# Altium PCB pay-ssm-v4-5.PcbDoc (part 2 of 4)
Units mm, origin at the board's own origin, x right, y up, seen from the top; angles counter-clockwise.
Board outline 127 x 55 mm, 6 copper layers (Top Layer, GND1, VCC, 3V3, GND2, Bottom Layer), stack 0.816 mm thick; 302 components, 219 nets, 1045 pads, 709 vias.
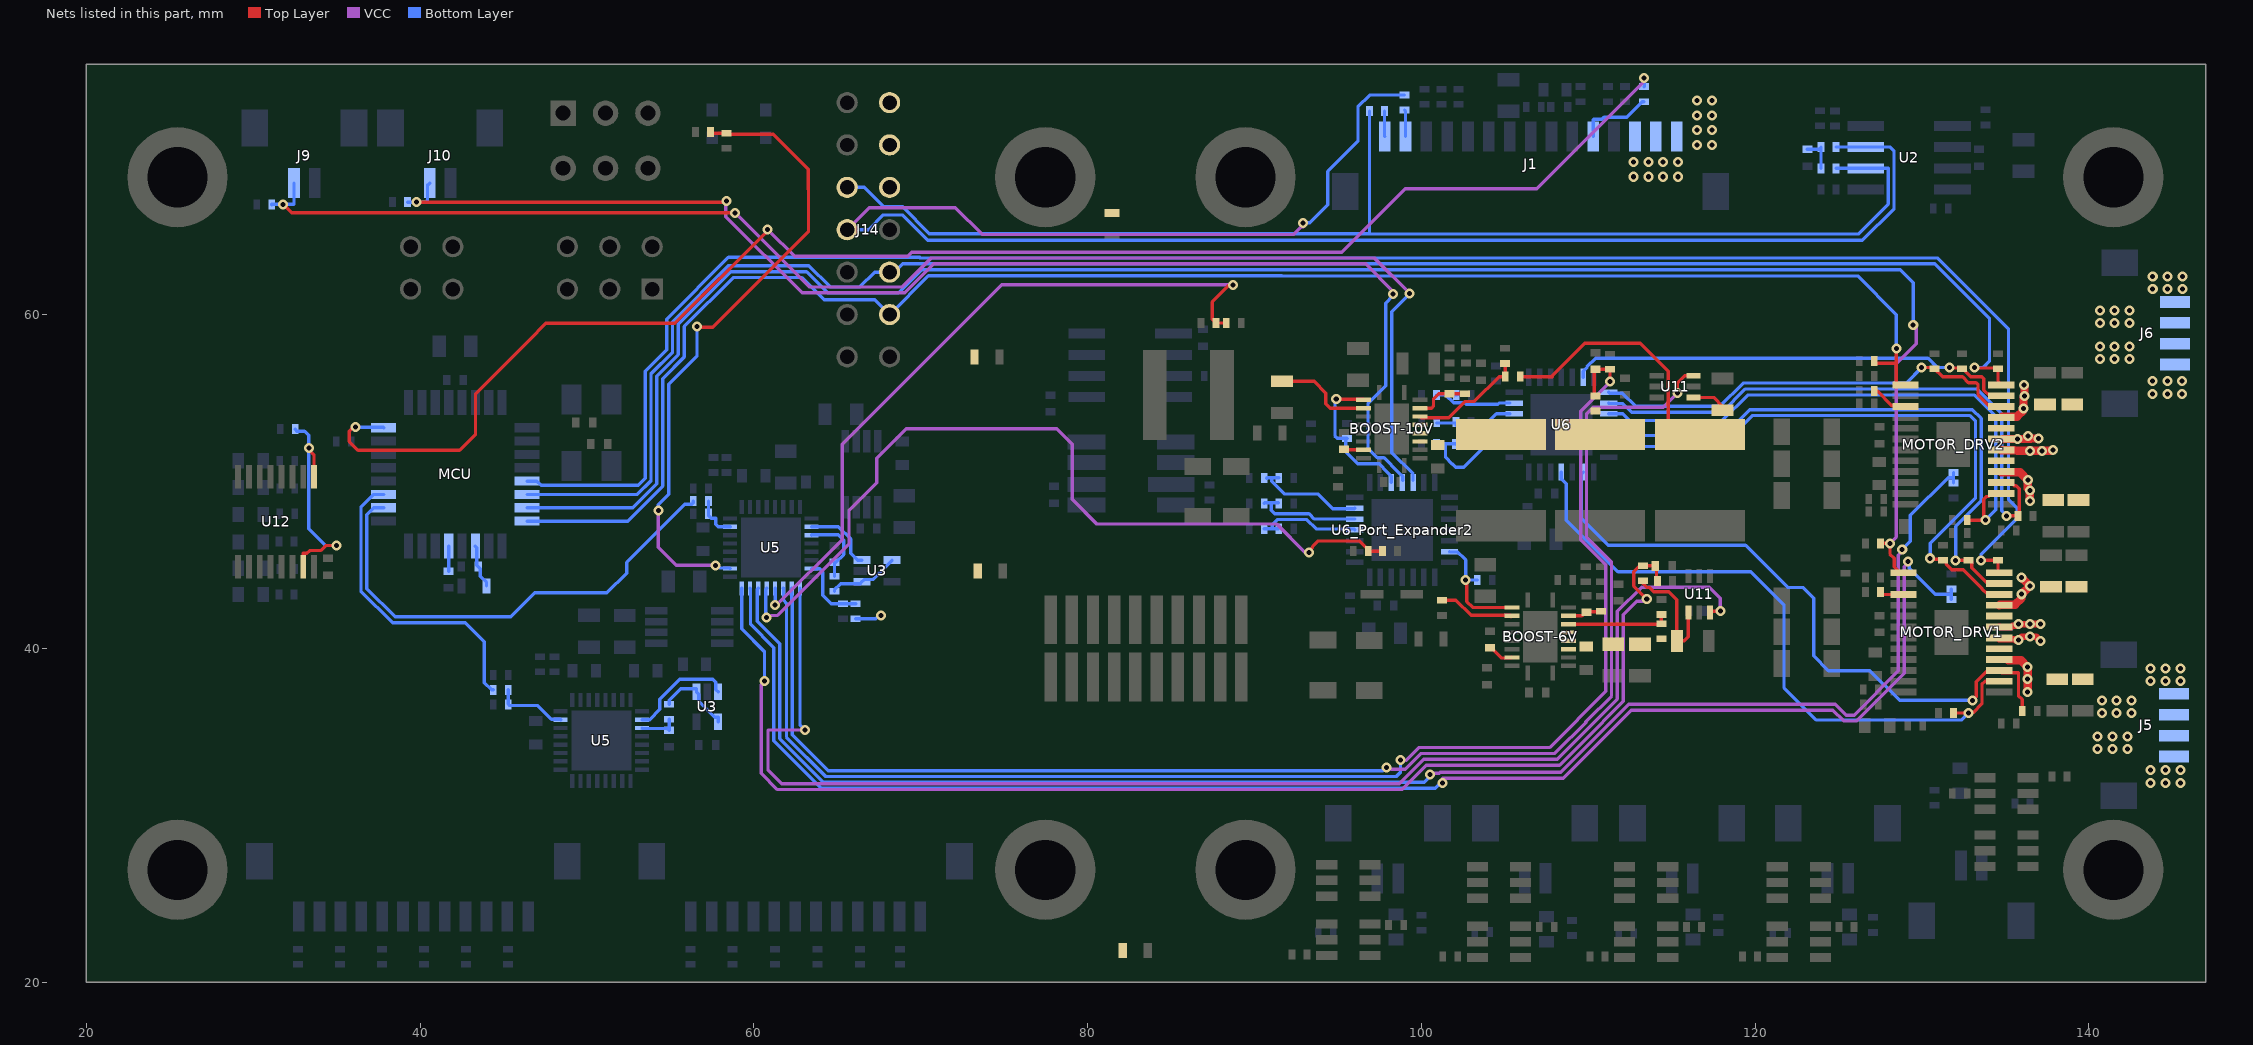
[diagram p6: the nets of this part, all layers, seen from the top]

## Part data
BOOST-6V BOOST-10V: "Boost converter", Supplier Part Number 1=296-42129-1-ND, Supplier 1=Digi-Key
C1 C7 C12 C12_ADC1 C14 C14 C18 C18 C41_Port_Expander1 C41_Port_Expander2 C55: library part CAP0805, "0805 capacitor", Capacitance=10uF, Dielectric=X7R, Manufacturer=Murata, Manufacturer Part Number=GCM21BR70J106KE22K, Max Operating Temperature=125°C, Min Operating Temperature=-55°C, Supplier Part Number 1=490-14361-1-ND, Tolerance=10%, Voltage Rating (DC)=6.3V, Case/Package=0805, Depth=1.25mm, Lead Free="Lead Free", Length=2mm, Packaging="Tape and Reel", Pricing 1="1=0.42, 10=0.29, 100=0.1742, 500=0.13064, 1000=0.11031, 2500=0.10451, 5000=0.0987 (USD)", Stock 1=214938, Supplier 1=Digi-Key
C2 C3 C4 C8 C10 C10 C41 C41 C45 C45 C46: library part CAP0402, "0402 capacitor", Capacitance=100nF, Case Code (Metric)=1005, Dielectric=X7R, Manufacturer="Taiyo Yuden", Manufacturer Part Number=EMK105B7104KVHF, Max Operating Temperature=125°C, Min Operating Temperature=-55°C, Package Quantity=10000, Ratings=AEC-Q200, Supplier Part Number 1=587-3807-1-ND, Tolerance=10%, Voltage Rating=16V, Case/Package=0402, Case Code (Imperial)=0402, Halogen Free="Halogen Free", Height=0.5mm, Lead Free="Lead Free", Length=0.039inch, Mount="Surface Mount", Packaging="Tape and Reel", Pricing 1="1=0.1, 10=0.057, 100=0.0254, 500=0.01812, 1000=0.01423, 2500=0.01294, 5000=0.0119 (USD)", Supplier 1=Digi-Key, Termination=SMD/SMT, Thickness=0.022inch, Voltage Rating (DC)=16V, Weight=2.3E-05oz, Width=0.02inch
  C2 C3 C4 C8 C10 C10 C41 C41 C46: Stock 1=18196
  C45 C45: Stock 1=17496
C5 C6: library part CAP0402, "0402 capacitor", Capacitance=22pF, Case Code (Metric)=1005, Manufacturer=KEMET, Manufacturer Part Number=C0402C220K4RAC7867, Max Operating Temperature=125°C, Min Operating Temperature=-55°C, Supplier Part Number 1=399-17554-1-ND, Tolerance=10%, Voltage Rating=16V, Case/Package=0402, Case Code (Imperial)=0402, Mount="Surface Mount", Packaging="Tape and Reel", Pricing 1="1=0.19, 10=0.132, 100=0.062, 500=0.0435, 1000=0.03601, 2500=0.03351, 5000=0.03066 (USD)", Stock 1=68765, Supplier 1=Digi-Key
C9: library part CAP0402, "0402 capacitor", Capacitance=47pF, Dielectric=X7R, Manufacturer=KEMET, Manufacturer Part Number=C0402C470J3RACAUTO, Max Operating Temperature=125°C, Min Operating Temperature=-55°C, Supplier Part Number 1=399-17558-1-ND, Tolerance=5%, Case/Package=0402, Depth=0.5mm, Length=1mm, Packaging="Tape and Reel", Pricing 1="1=0.15, 10=0.104, 100=0.0489, 500=0.0343, 1000=0.0284, 2500=0.02643, 5000=0.02418 (USD)", Stock 1=18140, Supplier 1=Digi-Key
C11 C11: library part CAP0402, "0402 capacitor", Capacitance=220pF, Case Code (Metric)=1005, Dielectric=X7R, Manufacturer=Murata, Manufacturer Part Number=GCM155R71H221KA37D, Max Operating Temperature=125°C, Min Operating Temperature=-55°C, Package Quantity=1, Ratings=AEC-Q200, Supplier Part Number 1=490-4912-1-ND, Tolerance=10%, Voltage=50V, Case/Package=0402, Case Code (Imperial)=0402, ComponentLink1Description=http://psearch.murata.com/capacitor/product/GCM155R71H221KA37%23.pdf?src-supplier=Avnet+Europe, ComponentLink1URL=http://psearch.murata.com/capacitor/product/GCM155R71H221KA37%23.pdf?src-supplier=Avnet+Europe, ComponentLink2Description=http://search.murata.co.jp/Ceramy/image/img/A01X/partnumbering_e_02.pdf?src-supplier=Digi-Key, ComponentLink2URL=http://search.murata.co.jp/Ceramy/image/img/A01X/partnumbering_e_02.pdf?src-supplier=Digi-Key, ComponentLink3Description=https://www.murata.com/~/media/webrenewal/support/library/catalog/products/capacitor/mlcc/c03e.ashx?src-supplier=Avnet, ComponentLink3URL=https://www.murata.com/~/media/webrenewal/support/library/catalog/products/capacitor/mlcc/c03e.ashx?src-supplier=Avnet, Depth=0.5mm, Height=0.5mm, Length=1mm, Mount="Surface Mount", Packaging="Tape and Reel", Pricing 1="1=0.1, 10=0.059, 100=0.0264, 500=0.01884, 1000=0.0148, 2500=0.01346, 5000=0.01238 (USD)", Radiation Hardening=No, Stock 1=141569, Supplier 1=Digi-Key, Termination=SMD/SMT, Thickness=0.022inch, Voltage Rating=50V, Voltage Rating (DC)=50V, Width=0.02inch
C13 C13 C15 C15 C16 C16 C17 C17 C57 C58: library part CAP0603, "0603 capacitor", Capacitance=1uF, Case Code (Metric)=1608, Manufacturer=KEMET, Manufacturer Part Number=C0603C105K4RACAUTO, Max Operating Temperature=125°C, Min Operating Temperature=-55°C, Ratings=AEC-Q200, Supplier Part Number 1=399-17704-1-ND, Tolerance=10%, Voltage Rating=16V, Case/Package=0603, Case Code (Imperial)=0603, Mount="Surface Mount", Packaging="Cut Tape", Pricing 1="1=0.17, 10=0.12, 100=0.0564, 500=0.03952, 1000=0.03273 (USD)", Stock 1=376276, Supplier 1=Digi-Key
  C57 C58: Supplier 2=Digi-Key, Supplier Part Number 2=587-3467-1-ND
C19: library part CAP0402, "0402 capacitor", Supplier Part Number 1=445-5666-1-ND, Supplier 1=Digi-Key
C20 C30 C31 C32 C42 C43 C44 C52: library part CAP0402, "0402 capacitor"
C21 C24 C28: library part CAP2220, "Ceramic Capacitor 2220 (5750 Metric)", Supplier Part Number 1=445-7934-1-ND, Supplier 1=Digi-Key
C22 C23: library part CAP1206, "1206 capacitor", Supplier Part Number 1=445-5998-1-ND, Supplier 1=Digi-Key
C25 C47: library part CAP0805, "0805 capacitor", Supplier Part Number 1=490-3906-1-ND, Supplier 1=Digi-Key
C26: library part CAP0402, "0402 capacitor", Supplier Part Number 1=490-3250-1-ND, Supplier 1=Digi-Key
C27 C49: library part CAP0402, "0402 capacitor", Supplier Part Number 1=490-6338-1-ND, Supplier 1=Digi-Key
C29: library part CAP0402, "0402 capacitor", Supplier Part Number 1=490-6178-1-ND, Supplier 1=Digi-Key
C33 C34: library part CAP1206, "1206 capacitor", Supplier Part Number 1=445-8046-1-ND, Supplier 1=Digi-Key
C35 C50: library part CAP0805, "0805 capacitor", Supplier Part Number 1=810-C2012X5R1V156M1C, Supplier 1=Mouser
C36 C36: library part CAP0402, "0402 capacitor", Supplier Part Number 1=445-6900-1-ND, Supplier 1=Digi-Key
C37 C37 C38 C38 C39 C39: library part CAP1206, "1206 capacitor", Supplier Part Number 1=445-174428-1-ND, Supplier 1=Digi-Key
C40 C40: library part CAP0603, "0603 capacitor", Supplier Part Number 1=445-6933-1-ND, Supplier 1=Digi-Key
C48: library part CAP0402, "0402 capacitor", Supplier Part Number 1=490-1301-1-ND, Supplier 1=Digi-Key
C51: library part CAP0402, "0402 capacitor", Supplier Part Number 1=490-5869-1-ND, Supplier 1=Digi-Key
C53 C54: library part Cap, "Capacitor", LatestRevisionDate=17-Jul-2002, LatestRevisionNote="Re-released for DXP Platform.", PackageDescription="Radial Cap, Thru-Hole; 2 Leads; 0.3 in Pin Spacing", PackageReference=RAD-0.3, Published=8-Jun-2000, Publisher="Altium Limited"
D1 D1 D2 D3 D4 D5 D6 D7 D8_HEATER1 D8_HEATER2 D8_HEATER3 D8_HEATER4 D8_HEATER5: "Generic 0603 LED. Use ChipLED from Osram for generic ones."
J1: "15 pos DF13 right angle surface mount connector", Supplier Part Number 1=H125988CT-ND, Supplier 1=Digi-Key
J2: "20 pos 50mil pitch low profile SMD connector", Supplier Part Number 1=SAM10120-ND, Supplier 1=Digi-Key
J3: "6 pos 100mil pitch low profile header", Supplier Part Number 1=SAM1088-03-ND, Supplier 1=Digi-Key
J4: "4 pos 100mil pitch low profile header", Supplier Part Number 1=SAM1088-02-ND, Supplier 1=Digi-Key
J5 J6: "4 pos DF13 right angle surface mount connector", Supplier Part Number 1=H125779CT-ND, Supplier 1=Digi-Key
J9 J10 J11 J11 J11 J11 J11: "2 pos DF13 right angle surface mount connector", Supplier Part Number 1=H125743CT-ND, Supplier 1=Digi-Key
J12 J13: "12 pos DF13 right angle surface mount connector", Contact Resistance=30mR, Current Rating=1A, Housing Color=Beige, Manufacturer=Hirose, Max Operating Temperature=85°C, Max Voltage Rating (AC)=150V, Min Operating Temperature=-35°C, Package Quantity=1000, Supplier Part Number 1=H125987CT-ND, ComponentLink1Description=http://www.mouser.com/ds/2/185/DF13_catalog-939190.pdf?src-supplier=Mouser, ComponentLink1URL=http://www.mouser.com/ds/2/185/DF13_catalog-939190.pdf?src-supplier=Mouser, ComponentLink2Description=http://www.hirose.co.jp/cataloge_hp/en_DF13_20130411.pdf?src-supplier=Future+Electronics, ComponentLink2URL=http://www.hirose.co.jp/cataloge_hp/en_DF13_20130411.pdf?src-supplier=Future+Electronics, ComponentLink3Description=https://www.verical.com/server-webapp/html/getDatasheet?partID=429813&src-supplier=Verical, ComponentLink3URL=https://www.verical.com/server-webapp/html/getDatasheet?partID=429813&src-supplier=Verical, Contact Gender=Male, Contact Material="Brass,Copper Alloy", Contact Plating=Gold, Depth=6.5mm, Housing Material=Polyamide, Lead Free="Lead Free", Length=19.65mm, Manufacturer Part Number=DF13A-12P-1.25H(51), Max Current Rating=1A, Number of Contacts=12, Number of Positions=12, Number of Rows=1, Orientation="Right Angle", Packaging="Tape and Reel", Pitch=1.25mm, Pricing 1="1=1.69, 10=1.536, 100=1.3167, 500=1.09726 (USD)", Radiation Hardening=No, Stock 1=878, Supplier 1=Digi-Key, Termination=Solder, Voltage Rating=150V
J14: "14 pos 100 mil pitch low profile header", Supplier Part Number 1=SAM1088-07-ND, Supplier 1=Digi-Key
L1: library part Inductor, "Inductor", Case Code (Metric)=1608, Current Rating=300mA, DC Resistance (DCR)=780mR, Inductance=10uH, Manufacturer=TDK, Manufacturer Part Number=MLZ1608N100LTD25, Max Operating Temperature=125°C, Min Operating Temperature=-55°C, Package Quantity=4000, Ratings=AEC-Q200, Saturation Current=60mA, Supplier Part Number 1=445-17067-1-ND, Test Frequency=2MHz, Tolerance=20%, Case/Package=0603, Case Code (Imperial)=0603, Code_IEC=1005, Code_JEITA=0402, Core Material=Ferrite, Height=0.8mm, Height - Seated (Max)=0.037inch, LatestRevisionDate=29-May-2009, LatestRevisionNote="IPC-7351 Footprint Added.", Lead Free="Lead Free", Length=0.063inch, Max DC Current=300mA, Mount="Surface Mount", PackageDescription="Chip Inductor", PackageReference=0402-A, Packaging="Tape and Reel", Pricing 1="1=0.22, 10=0.202, 100=0.1346, 500=0.11212, 1000=0.09419 (USD)", Published=8-Jun-2000, Publisher="Altium Limited", Shielding=Shielded, Stock 1=11876, Supplier 1=Digi-Key, Termination=SMD/SMT, Weight=0.000141oz, Width=0.8mm
L2: "Fixed Inductors 1.1uH 20% 12A, 13.1mOhms AEC-Q200", Supplier Part Number 1=994-XAL6020-112MEB, ComponentLink1Description=Datasheet, ComponentLink1URL=https://www.mouser.ca/datasheet/2/597/xal6020-774588.pdf, Supplier 1=Mouser
L3: library part IND_IHLP-1212BZ, "1µH Shielded Molded Inductor 5A 24mOhm Max Nonstandard", Case/Package=1212, Case Code (Metric)=3630, Current Rating=5A, DC Resistance (DCR)=24mR, Inductance=1uH, Inductance Tolerance=20%, Manufacturer="Vishay Dale", Manufacturer Part Number=IHLP1212BZER1R0M11, Max Operating Temperature=125°C, Min Operating Temperature=-55°C, Package Quantity=3000, Saturation Current=4.5A, Self Resonant Frequency=75MHz, Supplier Part Number 1=541-1319-1-ND, Test Frequency=100kHz, Case Code (Imperial)=1212, ComponentLink1Description=http://www.mouser.com/ds/2/427/lp12bz11-244380.pdf?src-supplier=Mouser, ComponentLink1URL=http://www.mouser.com/ds/2/427/lp12bz11-244380.pdf?src-supplier=Mouser, ComponentLink2Description=http://www.vishay.com/docs/34289/lp12bz11.pdf?src-supplier=Digi-Key, ComponentLink2URL=http://www.vishay.com/docs/34289/lp12bz11.pdf?src-supplier=Digi-Key, ComponentLink3Description=http://www.vishay.com/docs/34289/lp12bz11.pdf?src-supplier=Avnet, ComponentLink3URL=http://www.vishay.com/docs/34289/lp12bz11.pdf?src-supplier=Avnet, ComponentLink4Description=http://www.farnell.com/datasheets/652599.pdf?src-supplier=Element14, ComponentLink4URL=http://www.farnell.com/datasheets/652599.pdf?src-supplier=Element14, ComponentLink5Description=http://www.vishay.com/docs/34289/lp12bz11.pdf?src-supplier=Avnet+Europe, ComponentLink5URL=http://www.vishay.com/docs/34289/lp12bz11.pdf?src-supplier=Avnet+Europe, ComponentLink6Description=https://www.verical.com/server-webapp/html/getDatasheet?partID=180380&src-supplier=Verical, ComponentLink6URL=https://www.verical.com/server-webapp/html/getDatasheet?partID=180380&src-supplier=Verical, Contact Plating=Tin, Core Material=Metal,Composite, Depth=3.2mm, Height=2mm, Height - Seated (Max)=0.079inch, Lead Free="Lead Free", Length=3.6mm, Max DC Current=5A, Military Standard=Not, Mount="Surface Mount", Number of Pins=2, Packaging="Tape and Reel", Pricing 1="1=1.45, 10=1.346, 100=0.9729, 500=0.7452, 1000=0.6624 (USD)", Radiation Hardening=No, REACH SVHC=Unknown, RMS Current (Irms)=5A, Shielding=Shielded, Stock 1=196362, Supplier 1=Digi-Key, Termination=SMD/SMT, Tolerance=20%, Width=0.118inch
L4: library part Inductor, "Inductor", Case/Package=0402, Case Code (Metric)=1005, DC Resistance (DCR)=55mR, Manufacturer=Murata, Manufacturer Part Number=BLM15PX121SZ1D, Max Current Rating=2A, Max Operating Temperature=125°C, Min Operating Temperature=-55°C, Ratings=AEC-Q200, Supplier Part Number 1=490-16505-1-ND, Case Code (Imperial)=0402, Code_IEC=1005, Code_JEITA=0402, LatestRevisionDate=29-May-2009, LatestRevisionNote="IPC-7351 Footprint Added.", Mount="Surface Mount", Number of Lines=1, PackageDescription="Chip Inductor", PackageReference=0402-A, Packaging="Cut Tape", Pricing 1="1=0.15, 10=0.125, 25=0.0972, 50=0.0804, 100=0.0693, 250=0.05544, 500=0.0499, 1000=0.04158, 5000=0.03881 (USD)", Published=8-Jun-2000, Publisher="Altium Limited", Stock 1=18936, Supplier 1=Digi-Key
MCU: library part ATMEGA64M1_QFP, "Atmel 8-bit AVR microcontroller.", Supplier Part Number 1=ATMEGA64M1-AU-ND, Supplier 1=Digi-Key
MOTOR_DRV1 MOTOR_DRV2: "Dual-bridge stepper or dc motor driver. 1.5A per coil with 2.5-10.8 V load supply.", Supplier Part Number 1=296-41246-1-ND, ComponentLink1Description=Datasheet, ComponentLink1URL=http://www.ti.com/lit/ds/symlink/drv8834.pdf, Supplier 1=Digi-Key
"PROG <-> RUN": library part "DPDT Switch", "DPDT Switch, customized for the pinout of the JS202011AQN switch.", Supplier Part Number 1=401-2000-ND, Supplier 1=Digi-Key
Q1_HEATER1 Q1_HEATER2 Q1_HEATER3 Q1_HEATER4 Q1_HEATER5 Q2_HEATER1 Q2_HEATER2 Q2_HEATER3 Q2_HEATER4 Q2_HEATER5: library part FDC637BNZCT-ND, "20V 6.2A, N-MOS, low gate on voltage", Supplier 1=Digi-Key, Supplier Part Number 1=FDC637BNZCT-ND
R1 R2 R17 R18 R27 R31 R40 R69 R69 R70 R70 R71 R71 R72 R72 R73 R73 R74 R74 R90: library part RES0402, "0402 resistor", Case Code (Metric)=1005, Manufacturer=Panasonic, Manufacturer Part Number=ERJ-2GE0R00X, Max Operating Temperature=155°C, Max Power Dissipation=100mW, Min Operating Temperature=-55°C, Package Quantity=1, Resistance=0mR, Supplier Part Number 1=P0.0JCT-ND, Temperature Coefficient=600ppm/°C, Tolerance=5%, Voltage Rating=50V, Case/Package=0402, Case Code (Imperial)=0402, ComponentLink1Description=http://industrial.panasonic.com/www-data/pdf/AOA0000/AOA0000CE1.pdf?src-supplier=Avnet, ComponentLink1URL=http://industrial.panasonic.com/www-data/pdf/AOA0000/AOA0000CE1.pdf?src-supplier=Avnet, ComponentLink2Description=http://www.alliedelec.com/m/d/51cd0790071e1666bdb9d00c57fcf960.pdf?src-supplier=Allied+Electronics, ComponentLink2URL=http://www.alliedelec.com/m/d/51cd0790071e1666bdb9d00c57fcf960.pdf?src-supplier=Allied+Electronics, ComponentLink3Description=http://industrial.panasonic.com/www-data/pdf/AOA0000/AOA0000CE1.pdf?src-supplier=Avnet+Europe, ComponentLink3URL=http://industrial.panasonic.com/www-data/pdf/AOA0000/AOA0000CE1.pdf?src-supplier=Avnet+Europe, ComponentLink4Description=http://www.farnell.com/datasheets/2059623.pdf?src-supplier=Farnell, ComponentLink4URL=http://www.farnell.com/datasheets/2059623.pdf?src-supplier=Farnell, ComponentLink5Description=http://www.farnell.com/datasheets/2059623.pdf?src-supplier=Element14, ComponentLink5URL=http://www.farnell.com/datasheets/2059623.pdf?src-supplier=Element14, ComponentLink6Description=http://www.farnell.com/datasheets/1678796.pdf?src-supplier=Element14, ComponentLink6URL=http://www.farnell.com/datasheets/1678796.pdf?src-supplier=Element14, Composition="Thick Film", Contact Plating=Tin, Depth=0.5mm, Features="Automotive AEC-Q200", Height=0.35mm, Lead Free="Lead Free", Length=1mm, Military Standard=Not, Mount="Surface Mount", Number of Terminations=2, Packaging="Tape and Reel", Power Rating=100mW, Pricing 1="1=0.1, 10=0.03, 25=0.0216, 50=0.0164, 100=0.0121, 250=0.00924, 500=0.0074, 1000=0.00545, 5000=0.00391 (USD)", Radiation Hardening=No, REACH SVHC="No SVHC", Stock 1=47740000, Supplier 1=Digi-Key, Termination=SMD/SMT, Voltage Rating (DC)=50V, Width=0.02inch
R3 R7 R25 R37 R38 R86: library part RES0603, "0603 resistor", Supplier Part Number 1=2019-TLRZ1JTTDCT-ND, Supplier 1=Digi-Key
R4 R5 R6 R8 R9 R10 R33 R36 R41 R42 R43 R48 R48 R49 R49 R50 R50 R51 R51 R52 R52 R53 R53 R58 R58 R59 R59 R60 R60 R61 R61 R62 R62 R63 R63 R64 R64 R65_HEATER1 R65_HEATER2 R65_HEATER3 R65_HEATER4 R65_HEATER5 R66 R76 R91 R92 R96_HEATER1 R96_HEATER2 R96_HEATER3 R96_HEATER4 R96_HEATER5 R97 R98 R100: library part RES0402, "0402 resistor"
R11: library part RES0402, "0402 resistor", Case Code (Metric)=1005, Manufacturer=Yageo, Manufacturer Part Number=AC0402FR-0730KL, Max Operating Temperature=155°C, Max Power Dissipation=63mW, Min Operating Temperature=-55°C, Power Rating=62.5mW, Resistance=30kR, Supplier Part Number 1=YAG3474CT-ND, Temperature Coefficient=100ppm/°C, Tolerance=1%, Voltage Rating=50V, Case/Package=0402, Case Code (Imperial)=0402, Composition="Thick Film", Features="Moisture Resistant,Automotive AEC-Q200", Height=0.015inch, Lead Free="Lead Free", Length=0.039inch, Number of Terminations=2, Packaging="Tape and Reel", Pricing 1="1=0.1, 10=0.022, 100=0.009, 1000=0.00403, 2500=0.0035, 5000=0.00289 (USD)", Stock 1=756314, Supplier 1=Digi-Key, Termination=SMD/SMT, Weight=2.3E-05oz, Width=0.5mm
R12 R16: library part RES0402, "0402 resistor", Case Code (Metric)=1005, Manufacturer=Vishay, Manufacturer Part Number=CRCW040260R4FKED, Max Operating Temperature=155°C, Max Power Dissipation=63mW, Min Operating Temperature=-55°C, Package Quantity=10, Resistance=60.4R, Supplier Part Number 1=541-60.4LCT-ND, Temperature Coefficient=100ppm/°C, Tolerance=1%, Voltage Rating=50V, Case/Package=0402, Case Code (Imperial)=0402, ComponentLink1Description=https://www.alliedelec.com/m/d/0c934d6939ccefa68dbe0b96d821c8cf.pdf?src-supplier=Allied+Electronics, ComponentLink1URL=https://www.alliedelec.com/m/d/0c934d6939ccefa68dbe0b96d821c8cf.pdf?src-supplier=Allied+Electronics, ComponentLink2Description=http://www.farnell.com/datasheets/1697337.pdf?src-supplier=Element14, ComponentLink2URL=http://www.farnell.com/datasheets/1697337.pdf?src-supplier=Element14, ComponentLink3Description=http://www.vishay.com/docs/20035/dcrcwe3.pdf?src-supplier=Digi-Key, ComponentLink3URL=http://www.vishay.com/docs/20035/dcrcwe3.pdf?src-supplier=Digi-Key, ComponentLink4Description=http://www.farnell.com/datasheets/2111203.pdf?src-supplier=Element14, ComponentLink4URL=http://www.farnell.com/datasheets/2111203.pdf?src-supplier=Element14, ComponentLink5Description=http://www.vishay.com/docs/20035/dcrcwe3.pdf?src-supplier=Future+Electronics, ComponentLink5URL=http://www.vishay.com/docs/20035/dcrcwe3.pdf?src-supplier=Future+Electronics, Composition="Thick Film", Contact Plating=Tin, Depth=0.5mm, Features="Automotive AEC-Q200", Height=0.35mm, Lead Free="Lead Free", Length=1mm, Military Standard=Not, Number of Terminations=2, Packaging="Tape and Reel", Power Rating=63mW, Pricing 1="1=0.1, 10=0.038, 100=0.0154, 1000=0.0069, 2500=0.00599, 5000=0.00495 (USD)", Radiation Hardening=No, REACH SVHC=Unknown, Stock 1=132015, Supplier 1=Digi-Key, Termination=Solder, Voltage Rating (DC)=50V, Weight=2.3E-05oz, Width=0.5mm
R13 R14 R15 R19 R19 R20 R20 R21 R21 R22 R22 R23 R23: library part RES0402, "0402 resistor", Case Code (Metric)=1005, Manufacturer="Vishay Dale", Manufacturer Part Number=CRCW0402100RFKEDHP, Max Operating Temperature=155°C, Min Operating Temperature=-55°C, Package Quantity=10000, Power Rating=125mW, Resistance=100R, Supplier Part Number 1=541-100YCT-ND, Temperature Coefficient=100ppm/°C, Tolerance=1%, Voltage Rating=50V, Case/Package=0402, Case Code (Imperial)=0402, ComponentLink1Description=http://www.vishay.com/docs/20043/crcwhpe3.pdf?src-supplier=Avnet, ComponentLink1URL=http://www.vishay.com/docs/20043/crcwhpe3.pdf?src-supplier=Avnet, Composition="Thick Film", Contact Plating=Tin, Depth=0.5mm, Height=0.3mm, Lead Free="Lead Free", Length=1mm, Mount="Surface Mount", Packaging="Tape and Reel", Pricing 1="1=0.15, 10=0.138, 100=0.0532, 1000=0.02343, 2500=0.02023, 5000=0.0181 (USD)", Radiation Hardening=No, REACH SVHC=Unknown, Stock 1=530594, Supplier 1=Digi-Key, Termination=SMD/SMT, Voltage Rating (DC)=50V, Weight=2.3E-05oz, Width=0.5mm
R24 R24 R44_HEATER1 R44_HEATER2 R44_HEATER3 R44_HEATER4 R44_HEATER5 R46 R47 R66_HEATER2 R66_HEATER3 R66_HEATER4 R66_HEATER5 R67 R67 R68 R68 R75 R77 R79: library part RES0402, "0402 resistor", Case Code (Metric)=1005, Manufacturer=Panasonic, Manufacturer Part Number=ERJ-2RKF1002X, Max Operating Temperature=155°C, Max Power Dissipation=100mW, Min Operating Temperature=-55°C, Package Quantity=1, Resistance=10kR, Supplier Part Number 1=P10.0KLCT-ND, Temperature Coefficient=100ppm/°C, Tolerance=1%, Voltage Rating=50V, Case/Package=0402, Case Code (Imperial)=0402, ComponentLink1Description=http://industrial.panasonic.com/www-data/pdf/AOA0000/AOA0000CE2.pdf?src-supplier=Future+Electronics, ComponentLink1URL=http://industrial.panasonic.com/www-data/pdf/AOA0000/AOA0000CE2.pdf?src-supplier=Future+Electronics, ComponentLink2Description=http://industrial.panasonic.com/www-data/pdf/AOA0000/AOA0000CE2.pdf?src-supplier=Avnet+Europe, ComponentLink2URL=http://industrial.panasonic.com/www-data/pdf/AOA0000/AOA0000CE2.pdf?src-supplier=Avnet+Europe, ComponentLink3Description=https://industrial.panasonic.com/cdbs/www-data/pdf/RDA0000/DMA0000COL11.pdf?src-supplier=Mouser, ComponentLink3URL=https://industrial.panasonic.com/cdbs/www-data/pdf/RDA0000/DMA0000COL11.pdf?src-supplier=Mouser, ComponentLink4Description=http://www.farnell.com/datasheets/1678782.pdf?src-supplier=Element14, ComponentLink4URL=http://www.farnell.com/datasheets/1678782.pdf?src-supplier=Element14, ComponentLink5Description=http://www.farnell.com/datasheets/1911175.pdf?src-supplier=Farnell, ComponentLink5URL=http://www.farnell.com/datasheets/1911175.pdf?src-supplier=Farnell, ComponentLink6Description=http://www.jameco.com/Jameco/Products/ProdDS/1987020.pdf?src-supplier=Jameco, ComponentLink6URL=http://www.jameco.com/Jameco/Products/ProdDS/1987020.pdf?src-supplier=Jameco, ComponentLink7Description=http://industrial.panasonic.com/www-data/pdf/AOA0000/AOA0000CE2.pdf?src-supplier=Avnet, ComponentLink7URL=http://industrial.panasonic.com/www-data/pdf/AOA0000/AOA0000CE2.pdf?src-supplier=Avnet, ComponentLink8Description=http://www.alliedelec.com/m/d/623f45ff1957d936ff56d46fd1c28cac.pdf?src-supplier=Allied+Electronics, ComponentLink8URL=http://www.alliedelec.com/m/d/623f45ff1957d936ff56d46fd1c28cac.pdf?src-supplier=Allied+Electronics, Composition="Thick Film", Contact Plating=Tin, Depth=0.5mm, Features="Automotive AEC-Q200", Height=0.35mm, Lead Free="Lead Free", Length=1mm, Military Standard=Not, Mount="Surface Mount", Number of Pins=2, Number of Terminations=2, Packaging="Tape and Reel", Power Rating=100mW, Pricing 1="1=0.1, 10=0.045, 100=0.0183, 1000=0.00823, 2500=0.00715, 5000=0.0059 (USD)", Radiation Hardening=No, REACH SVHC="No SVHC", Stock 1=14350001, Supplier 1=Digi-Key, Termination=SMD/SMT, Voltage Rating (DC)=50V, Width=0.02inch
R26: library part RES0805, "0805 resistor", Supplier Part Number 1=P215KCCT-ND, Supplier 1=Digi-Key
R28 R87: library part RES0805, "0805 resistor", Supplier Part Number 1=RHM.008AJCT-ND, Supplier 1=Digi-Key
R29: library part RES0805, "0805 resistor", Supplier Part Number 1=541-102KCCT-ND, Supplier 1=Digi-Key
R30 R34: library part RES0402, "0402 resistor", Supplier Part Number 1=541-453KLCT-ND, Supplier 1=Digi-Key
R32: library part RES0402, "0402 resistor", Supplier Part Number 1=RMCF0402FT3K00CT-ND, Supplier 1=Digi-Key
R35 R94 R99: library part RES0402, "0402 resistor", Supplier Part Number 1=YAG1234CT-ND, Supplier 1=Digi-Key
R39: library part RES0402, "0402 resistor", Supplier Part Number 1=541-69.8KLCT-ND, Supplier 1=Digi-Key
R54 R54 R55 R55 R56 R56 R57 R57: library part RES0805, "0805 resistor", Supplier Part Number 1=WSLA-.20CT-ND, Supplier 1=Digi-Key
R78_AmbientTemp R78_BST6V R78_BST10V R78_MF_THM1_6 R78_MF_THM1_7 R78_MF_THM1_8 R78_MF_THM1_9 R78_MF_THM1_10 R78_MF_THM1_11 R78_MF_THM2_12 R78_MF_THM2_13 R78_MF_THM2_14 R78_MF_THM2_15 R78_MF_THM2_16 R78_MF_THM2_17 R78_MOT_DRV1 R78_MOT_DRV2: library part RES0402, "0402 resistor", Case Code (Metric)=1005, Manufacturer=Panasonic, Manufacturer Part Number=ERA-2AEB103X, Max Operating Temperature=155°C, Max Power Dissipation=63mW, Min Operating Temperature=-55°C, Package Quantity=1, Resistance=10kR, Supplier Part Number 1=P10KDCCT-ND, Temperature Coefficient=25ppm/°C, Tolerance=0.1%, Voltage Rating=25V, Case/Package=0402, Case Code (Imperial)=0402, ComponentLink1Description=http://uk.rs-online.com/webdocs/0bee/0900766b80beefcc.pdf?src-supplier=RSComponents, ComponentLink1URL=http://uk.rs-online.com/webdocs/0bee/0900766b80beefcc.pdf?src-supplier=RSComponents, ComponentLink2Description=http://industrial.panasonic.com/www-data/pdf/AOA0000/AOA0000CE26.pdf?src-supplier=Avnet, ComponentLink2URL=http://industrial.panasonic.com/www-data/pdf/AOA0000/AOA0000CE26.pdf?src-supplier=Avnet, ComponentLink3Description=http://www.farnell.com/datasheets/328837.pdf?src-supplier=Element14, ComponentLink3URL=http://www.farnell.com/datasheets/328837.pdf?src-supplier=Element14, ComponentLink4Description=http://www.farnell.com/datasheets/2052875.pdf?src-supplier=Farnell, ComponentLink4URL=http://www.farnell.com/datasheets/2052875.pdf?src-supplier=Farnell, ComponentLink5Description=http://industrial.panasonic.com/www-data/pdf/AOA0000/AOA0000CE26.pdf?src-supplier=Future+Electronics, ComponentLink5URL=http://industrial.panasonic.com/www-data/pdf/AOA0000/AOA0000CE26.pdf?src-supplier=Future+Electronics, ComponentLink6Description=http://www.alliedelec.com/m/d/b6b0537e86f421aa7f5975bb1d8f429a.pdf?src-supplier=Allied+Electronics, ComponentLink6URL=http://www.alliedelec.com/m/d/b6b0537e86f421aa7f5975bb1d8f429a.pdf?src-supplier=Allied+Electronics, Composition="Metal Film,Thin Film", Contact Plating=Tin, Depth=0.5mm, Features="Automotive AEC-Q200", Height=0.35mm, Lead Free="Lead Free", Length=1mm, Military Standard=Not, Mount="Surface Mount", Number of Pins=2, Number of Terminations=2, Packaging="Tape and Reel", Power Rating=63mW, Pricing 1="1=0.45, 10=0.321, 100=0.1283, 1000=0.06322, 2500=0.05858, 5000=0.053 (USD)", Radiation Hardening=No, REACH SVHC="No SVHC", Stock 1=1578480, Supplier 1=Digi-Key, Termination=SMD/SMT, Voltage Rating (DC)=25V, Width=0.5mm